# Altium PCB CL-HC-M-V2.1gerber.PcbDoc (part 17 of 18) (continued)
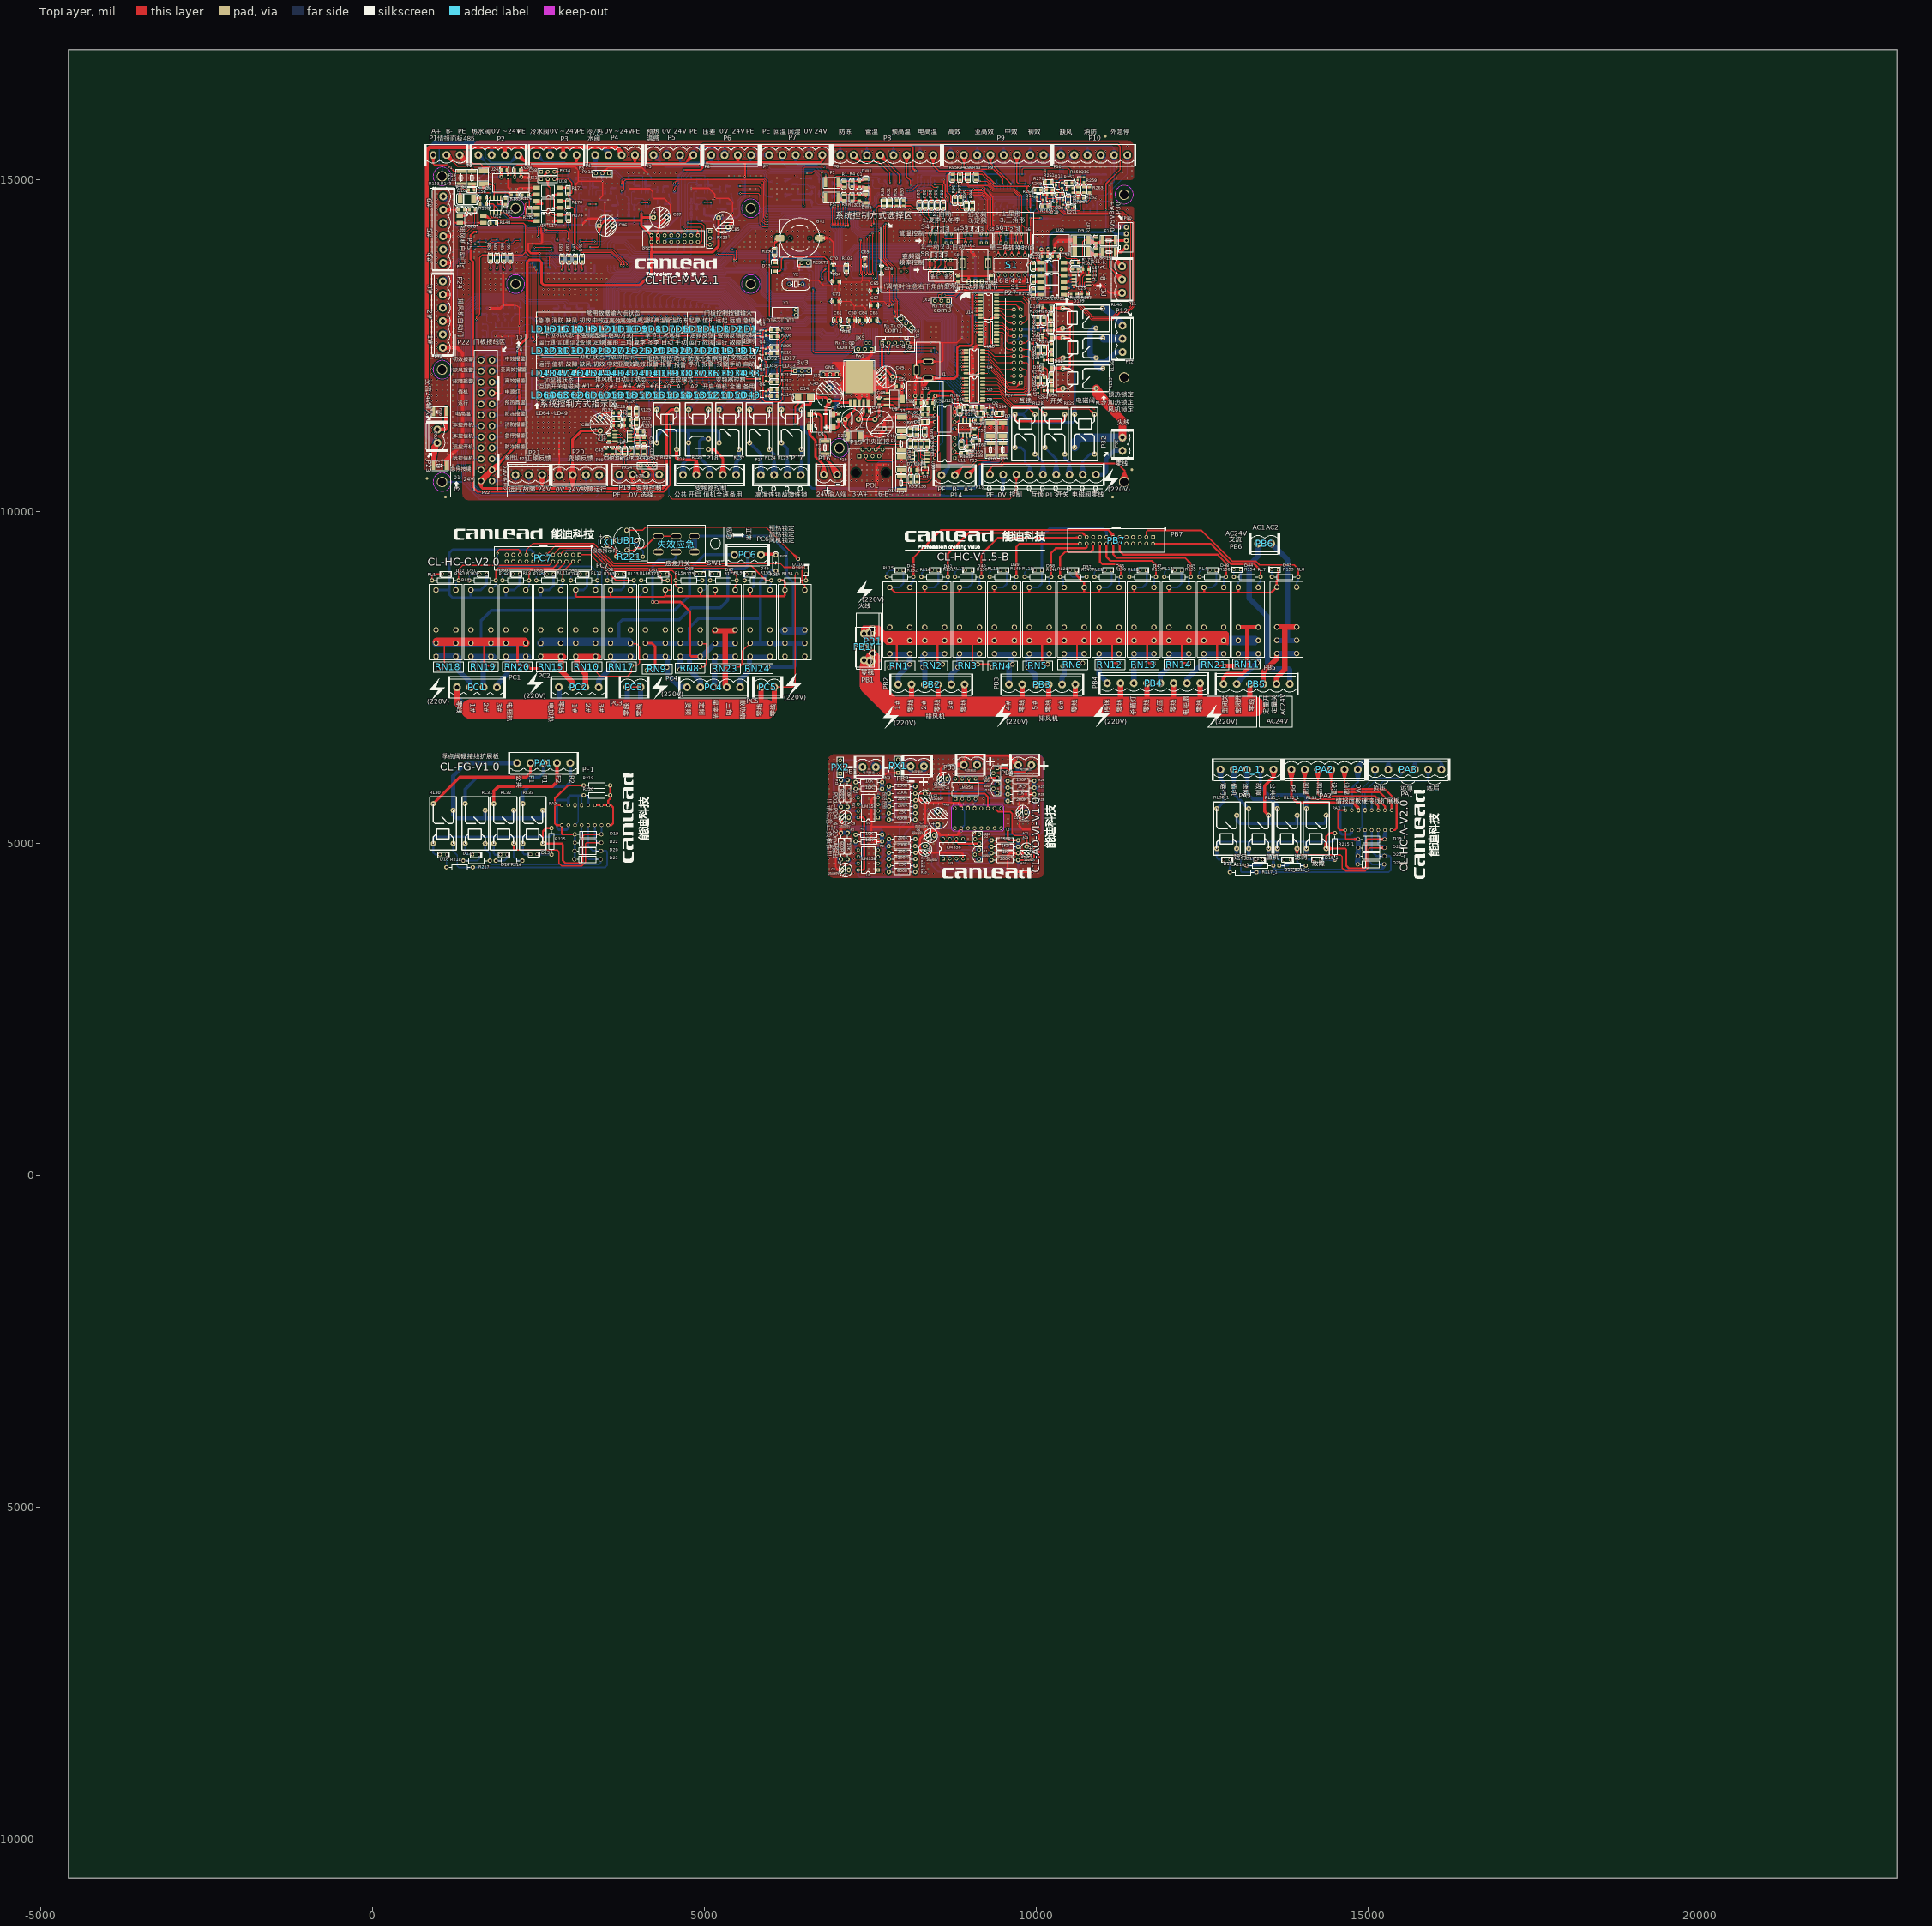
[diagram p0: TopLayer view]
## Nets (pads, with @x,y where several pads share a name; then routed paths per layer and width w, separated by ;. In a path a pad name is that pad's centre, name@x,y a point inside that pad or via, vN(x,y) a via of type N, cw(c..) or ccw(c..) an arc to the next point about the centre after c; other vN are vias at no path point) (continued)
预热温感: C1.1@7332.76,14975.04 DW1.K R1.1@7102.76,14975.04 R4.2@7222.76,14980.04 U33.43 | length 4045.6
  TopLayer w10: v1@7043.44,14307 7050.92,14348.84 ; v1@7058.38,14307 7050.92,14348.84 ; C1.1@7317.93,14977.29 7332.76,15025.04 ; C1.1@7332.76,14975.04 7332.76,15025.04 ; C1.1@7332.76,14985.04 7332.76,15035.9 7314.67,15053.99 6991.57,15053.99 6971.36,15033.78 6971.36,14663.99 6989.36,14645.99 7033.31,14645.99 7050.92,14628.38 v1(7050.91,14306.34) 7050.92,14348.84 ; C1.1@7347.59,14977.29 7332.76,15025.04
  TopLayer w20: R1.1@7102.76,14975.04 7359.53,14975.04 ; R1.1@7107.76,14975.04 7187.76,14975.04 R4.2@7217.76,14980.04 ; 7247.76,14975.04 C1.1@7327.76,14975.04 ; C1.1@7308.09,14975.04 7227.76,14980.04 C1.1@7311.57,14975.04 ; DW1.K@7419.64,15022.65 7359.53,14975.04 ; DW1.K@7421.31,15023.58 C1.1@7341.04,14977.06 ; DW1.K@7431.94,14995.63 C1.1@7341.04,14977.06 ; DW1.K@7432.76,15010.04 7394.53,15010.04 ; DW1.K@7433.27,14996.09 7359.53,14975.04 ; R4.2@7217.76,14980.04 7137.45,14975.04 R4.2@7217.76,14980.04 ; C1.1@7337.76,14975.04 7359.53,14975.04 ; C1.1@7337.76,14975.04 7394.53,15010.04 ; C1.1@7337.76,14975.04 7359.53,14975.04 ; C1.1@7341.04,14977.06 DW1.K@7427.76,15010.04 ; 7359.53,14975.04 7394.53,15010.04 ; 7359.53,14975.04 DW1.K@7427.76,15010.04 ; 7394.53,15010.04 DW1.K@7424.37,14995.42 ; 7394.53,15010.04 DW1.K@7424.37,15024.65 ; 7394.53,15010.04 DW1.K@7427.76,15010.04 ; 7394.53,15010.04 DW1.K@7424.37,14995.42 ; 7394.53,15010.04 DW1.K@7424.37,15024.65 ; 7394.53,15010.04 DW1.K@7427.76,15010.04 ; 7394.53,15010.04 DW1.K@7424.37,14995.42 ; 7394.53,15010.04 DW1.K@7424.37,15024.65 ; 7394.53,15010.04 DW1.K@7427.76,15010.04
  BottomLayer w10: U33.43@7042.07,13622.58 7042.07,14279.59 7050.91,14288.43 ; U33.43@7042.07,13652.83 7042.07,13687.58 ; v1@7043.58,14304.77 7050.91,14288.43 ; v1@7058.24,14304.77 7050.91,14288.43 ; 7050.91,14288.43 v1(7050.91,14306.34) 7050.91,14288.43
预高温: OP3.8 P8.6 R33.2 | length 1357.8
  TopLayer w20: P8.6@8000.32,15356.95 8048.32,15248 ; P8.6@8019.48,15363.51 8048.32,15248 ; P8.6@8048.32,15367.06 8048.32,15043.84 8107.62,14984.55 v1(8107.62,14925.26) ; P8.6@8077.16,15363.51 8048.32,15248 ; P8.6@8096.32,15356.95 8048.32,15248
  BottomLayer w15: OP3.8@8012.38,14877.24 8082.14,14877.24 8109.03,14904.13 ; 8109.03,14982.81 v1(8107.62,14925.26) 8109.03,14904.13 ; R33.2@8145.39,14983.69 8115.53,14995.95 ; R33.2@8145.39,15008.22 8115.53,14995.95 ; R33.2@8147.81,14995.95 8115.53,14995.95 ; R33.2@8152.81,14995.95 8115.53,14995.95 ; 8109.03,14904.13 8109.03,14989.45 8115.53,14995.95
频率输出: C36.2 C43.1 P19.3 P19.4 PX24.1 R136.2 R142.2 | length 6647.6
  TopLayer w15: C43.1@3519,10863.14 C36.2@3612.77,10863.14 R136.2@3704.39,10863.14 R142.2@3801.46,10863.14 ; C43.1@3523.42,10850.65 C36.2@3590.63,10853.8 ; C43.1@3523.42,10875.62 C36.2@3590.63,10872.47 ; C43.1@3526.88,10850.97 C36.2@3590.63,10872.47 ; C43.1@3526.88,10875.3 C36.2@3590.63,10853.8 ; C36.2@3606.57,10850.69 C43.1@3542.77,10863.14 ; C36.2@3606.57,10875.58 C43.1@3542.77,10863.14 ; C36.2@3607.77,10863.14 C43.1@3542.77,10863.14 ; C36.2@3617.77,10863.14 R136.2@3682.77,10863.14 ; C36.2@3618.97,10850.69 R136.2@3682.77,10863.14 ; C36.2@3618.97,10875.58 R136.2@3682.77,10863.14 ; R136.2@3696.43,10850.99 C36.2@3633.73,10872.7 ; R136.2@3696.43,10875.28 C36.2@3633.73,10853.57 ; R136.2@3700.02,10850.65 C36.2@3633.73,10853.57 ; R136.2@3700.02,10875.62 C36.2@3633.73,10872.7 ; R136.2@3709.39,10863.14 3774.39,10863.14 ; R136.2@3710.6,10850.69 3774.39,10863.14 ; R136.2@3710.6,10875.58 3774.39,10863.14 ; R142.2@3789.02,10861.93 3801.46,10798.14 R142.2@3813.9,10861.93 ; R142.2@3793.69,10850.95 3731.03,10871.59 ; R142.2@3793.69,10875.33 3731.03,10854.68 ; R142.2@3796.88,10850.64 3731.03,10854.68 ; R142.2@3796.88,10875.63 3731.03,10871.59 ; R142.2@3797.58,10858.94 R142.2@3801.46,10863.14 ; PX24.1@4017.3,10687.54 4038.92,10634.29 ; PX24.1@4035.67,10669.98 3964.4,10691.76 PX24.1@4035.67,10713.55 ; PX24.1@4060.54,10687.54 4038.92,10634.29 ; P19.3@4075.81,10526.39 4038.92,10634.29 ; P19.3@4089.9,10532.29 4038.92,10634.29 ; P19.3@4102.94,10539.93 4038.92,10634.29 ; P19.3@4133.29,10570.28 4038.92,10634.29 ; P19.3@4140.93,10583.32 4038.92,10634.29 ; P19.3@4146.83,10597.41 4038.92,10634.29 ; C43.1@3524,10863.14 C36.2@3589,10863.14 ; C43.1@3524,10863.14 C36.2@3590.63,10853.8 ; C43.1@3524,10863.14 C36.2@3590.63,10872.47 ; C43.1@3524,10863.14 C36.2@3589,10863.14 ; C36.2@3589,10863.14 3525.2,10875.58 C36.2@3589,10863.14 ; C36.2@3589,10863.14 3525.2,10850.69 C36.2@3589,10863.14 ; C36.2@3633.73,10853.57 R136.2@3699.39,10863.14 ; C36.2@3633.73,10872.7 R136.2@3699.39,10863.14 ; C36.2@3634.39,10863.14 3698.19,10850.69 C36.2@3634.39,10863.14 ; C36.2@3634.39,10863.14 3698.19,10875.58 C36.2@3634.39,10863.14 ; C36.2@3634.39,10863.14 R136.2@3699.39,10863.14 ; C36.2@3634.39,10863.14 R136.2@3699.39,10863.14 ; 3731.03,10854.68 R142.2@3796.46,10863.14 ; 3731.03,10871.59 R142.2@3796.46,10863.14 ; 3731.46,10863.14 3795.26,10850.69 3731.46,10863.14 ; 3731.46,10863.14 3795.26,10875.58 3731.46,10863.14 ; 3731.46,10863.14 R142.2@3796.46,10863.14 ; 3731.46,10863.14 R142.2@3796.46,10863.14 ; 3774.39,10863.14 R142.2@3792.92,10851.15 ; 3774.39,10863.14 R142.2@3792.92,10875.12 ; 3774.39,10863.14 R142.2@3796.46,10863.14 ; 3774.39,10863.14 R142.2@3792.92,10851.15 ; 3774.39,10863.14 R142.2@3792.92,10875.12 ; 3774.39,10863.14 R142.2@3796.46,10863.14 ; 3774.39,10863.14 R142.2@3792.92,10851.15 ; 3774.39,10863.14 R142.2@3792.92,10875.12 ; 3774.39,10863.14 R142.2@3796.46,10863.14 ; R142.2@3801.46,10863.14 3801.46,10714.11 3823.8,10691.76 PX24.1@4038.92,10691.76 4038.92,10634.29 ; 4038.92,10634.29 P19.3@4119.56,10553.66 4038.92,10634.29
  BottomLayer w15: P19.3@4119.56,10553.66 P19.4@4319.56,10553.66 ; P19.3@4121.79,10532.22 4223.61,10553.66 ; P19.3@4121.79,10575.1 4223.61,10553.66 ; P19.3@4125.98,10517.67 4223.61,10553.66 ; P19.3@4125.98,10589.65 4223.61,10553.66 ; P19.3@4132.33,10503.71 4223.61,10553.66 ; P19.3@4132.33,10603.61 4223.61,10553.66 ; P19.4@4306.79,10503.71 4215.5,10553.66 ; P19.4@4306.79,10603.61 4215.5,10553.66 ; P19.4@4313.14,10517.67 4215.5,10553.66 ; P19.4@4313.14,10589.65 4215.5,10553.66 ; P19.4@4317.32,10532.22 4215.5,10553.66 ; P19.4@4317.32,10575.1 4215.5,10553.66
高效: OP2.4 P9.2 R29.2 | length 2053.6
  TopLayer w20: P9.2@8862.72,15358.92 8910.72,15249.97 ; P9.2@8881.88,15365.48 8910.72,15249.97 ; P9.2@8910.72,15369.03 8910.72,15182.75 8933.37,15160.1 9356.3,15160.1 9492.32,15024.08 v1(9492.32,14940.39) ; P9.2@8939.56,15365.48 8910.72,15249.97 ; P9.2@8958.72,15358.92 8910.72,15249.97
  BottomLayer w15: R29.2@9477.41,14997.2 v1@9489.85,14938.5 ; R29.2@9477.53,14996.63 v1(9492.32,14940.39) ; OP2.4@9512.76,14865.04 9514.85,14913.5 ; OP2.4@9514.85,14843.5 9514.85,14913.5 ; v1@9489.85,14938.5 R29.2@9489.85,14998.5 v1@9489.85,14938.5 ; v1@9489.85,14938.5 9514.85,14913.5 ; v1@9489.85,14938.5 9502.28,14997.2 v1(9492.32,14940.39) ; v1(9492.32,14940.39) 9489.85,14998.02 v1(9492.32,14940.39) ; v1(9492.32,14940.39) 9514.85,14913.5
pads on no net: BT1. D15.A D15.K D15_1.A D15_1.K D16.A D16.K D16_1.A D16_1.K D17.A D17.K D17_1.A D17_1.K D18.A D18.K D18_1.A D18_1.K D19.A D19.K D19_1.A D19_1.K D20.A D20.K D20_1.A D20_1.K D21.A D21.K D21_1.A D21_1.K D22.A D22.K D22_1.A D22_1.K P14.1 P14.2 P14.4 P14.5 P14.7 P14.8 P14.MH1 P14.MH2 PA1.1 PA1.2 PA1.3 PA1.4 PA1.5 PA1_1.1 PA1_1.2 PA1_1.3 PA1_1.4 PA1_1.5 PA2.1 PA2.2 PA2.3 PA2.4 PA2.5 PA2.6 PA3.1 PA3.2 PA3.3 PA3.4 PA3.5 PA3.6 PAX.1@2850.51,5575.71 PAX.2@2850.51,5275.71 PAX.3@2950.51,5575.71 PAX.4@2950.51,5275.71 PAX.5@3050.51,5575.71 PAX.6@3050.51,5275.71 PAX.7@3150.51,5575.71 PAX.8@3150.51,5275.71 PAX.9@3250.51,5575.71 PAX.10@3250.51,5275.71 PAX.11@3350.51,5575.71 PAX.12@3350.51,5275.71 PAX.13@3450.51,5575.71 PAX.14@3450.51,5275.71 PAX.15@3550.51,5575.71 PAX.16@3550.51,5275.71 PAX_1.1 PAX_1.2 PAX_1.3 PAX_1.4 PAX_1.5 PAX_1.6 PAX_1.7 PAX_1.8 PAX_1.9 PAX_1.10 PAX_1.11 PAX_1.12 PAX_1.13 PAX_1.14 PAX_1.15 PAX_1.16 PB1'.2 R102.0 R102.3 R215.1 R215.2 R215_1.1 R215_1.2 R216.1 R216.2 R216_1.1 R216_1.2 R217.1 R217.2 R217_1.1 R217_1.2 R218.1 R218.2 R218_1.1 R218_1.2 R219.1 R219.2 R220.1 R220.2 RL1.5 RL2.5 RL3.5 RL4.5 RL5.5 RL6.5 RL10.5 RL11.5 RL12.5 RL13.5 RL14.5 RL15.5 RL16.5 RL17.5 RL18.5 RL19.5 RL20.5 RL21.5 RL22.5 RL30.1 RL30.2 RL30.3 RL30.4 RL30_1.1 RL30_1.2 RL30_1.3 RL30_1.4 RL31.1 RL31.2 RL31.3 RL31.4 RL31_1.1 RL31_1.2 RL31_1.3 RL31_1.4 RL32.1 RL32.2 RL32.3 RL32.4 RL32_1.1 RL32_1.2 RL32_1.3 RL32_1.4 RL33.1 RL33.2 RL33.3 RL33.4 RL33_1.1 RL33_1.2 RL33_1.3 RL33_1.4 RL34.3 S8.3 U2.7@2362.38,12870.5 U11.1 U11.4 U12.1 U12.4 U15.5 U15.6 U15.7 U15.10 U15.11 U15.12 U26.5 U26.6 U26.7 U26.10 U26.11 U26.12 U28.7 U29.7 U30.7 U31.7 U33.7 U33.106
copper on no net: | length 88560.5
  TopLayer w20: 2126.43,4998.5 2126.43,4910.96 2136.76,4900.63 2782.29,4900.63 2806.76,4876.16 2806.76,4704.06 2851.38,4659.44 3151.83,4659.44 3206.76,4714.37 3206.76,4990.63 3225.93,5009.8 3447.2,5009.8 ; 13902.71,4918.24 13931.67,4835.63 ; 13931.67,4923.17 13931.67,4835.63 ; 13960.62,4918.24 13931.67,4835.63 ; 15249.92,4913.13 15160.95,4934.47 15249.92,4955.82 ; 15252.44,4934.47 15031.17,4934.47 15012,4915.3 15012,4639.04 14957.07,4584.11 14656.62,4584.11 14612,4628.73 14612,4800.83 14587.53,4825.3 13942,4825.3 13931.67,4835.63
  TopLayer w30: 2696.76,5230.63 2615.15,5230.63 2565.15,5180.63 2565.15,4998.5 2848.89,4998.5 2866.76,4980.63 2866.76,4740.63 2906.76,4700.63 3012.34,4700.63 3013.53,4699.44 3135.26,4699.44 3166.76,4730.94 3166.76,5116.62 3186.76,5136.62 3447.2,5136.62 ; 2850.51,5575.71 2761.84,5575.71 2746.76,5560.63 ; 3047.2,5136.62 2864.52,5136.62 2850.51,5150.63 2850.51,5275.71 2771.68,5275.71 2746.76,5300.63 2746.76,5560.63 ; 3180.92,5872.55 2942.54,5872.55 2746.76,5676.76 2746.76,5560.63 ; 3350.51,5575.71 3450.51,5575.71 3550.51,5575.71 3593.1,5575.71 3626.44,5542.36 3626.44,5304.36 3597.79,5275.71 3550.51,5275.71 ; 3559.1,5584.3 3550.51,5592.9 3550.51,5642.37 3580.4,5672.26 3580.4,5872.18 ; 14002.7,6105.47 14046.27,5962.92 14089.84,6105.47 ; 14046.27,6111.98 14046.27,5942.31 14046.27,5774.81 14155.78,5665.3 15052,5665.3 15155.75,5561.55 15155.75,5500.38 ; 14202.7,6105.47 14246.27,5962.92 14289.84,6105.47 ; 14246.27,6111.98 14246.27,5740.38 14276.35,5710.3 15104.86,5710.3 15255.75,5559.41 15255.75,5500.38 ; 14346.12,4925.46 14370.39,5052.54 14394.65,4925.46 ; 14372.68,4898.91 14499.76,4923.17 14372.68,4947.43 ; 14402.7,6105.47 14446.27,5962.92 14489.84,6105.47 ; 14446.27,6111.98 14446.27,5817.01 14495.52,5767.76 15179.53,5767.76 15355.75,5591.55 15355.75,5500.38 ; 14500.12,5137.9 14420.39,5155.3 ; 14500.12,5172.7 14420.39,5155.3 ; 14602.7,6105.47 14646.27,5962.92 14689.84,6105.47 ; 14646.27,6111.98 14646.27,5842.74 14672,5817.01 15254.81,5817.01 15431.68,5640.14 15431.68,5229.03 15403.03,5200.38 15355.75,5200.38 ; 14655.75,5500.38 14567.08,5500.38 14552,5485.3 14552,5225.3 14576.92,5200.38 ; 14851.32,5044.83 14730.95,5061.29 14851.32,5077.74 ; 14852.44,5061.29 14669.76,5061.29 14655.75,5075.3 14655.75,5200.38 ; 15251.32,5044.83 15130.95,5061.29 15251.32,5077.74 ; 15252.44,5061.29 14992,5061.29 14972,5041.29 14972,4655.61 14940.5,4624.11 14818.77,4624.11 14817.58,4625.3 14712,4625.3 14672,4665.3 14672,4905.3 14654.13,4923.17 14370.39,4923.17 14370.39,5105.3 14420.39,5155.3 ; 14420.39,5155.3 14502,5155.3 14420.39,5155.3 ; 14576.92,5200.38 14655.75,5200.38 ; 14576.92,5200.38 14655.75,5200.38
  TopLayer w40: 916.03,5598.5 1315.94,5998.41 2315.99,5998.41 2377.3,6059.72 2377.3,6208.41 ; 13807.45,6107.72 13846.27,5932.92 13885.09,6107.72 ; 13846.27,6111.98 13846.27,5700.69 13931.67,5615.3 14782,5615.3 ; 14855.75,5500.38 14855.75,5541.55 ; 14782,5615.3 14855.75,5541.55 ; 14782,5615.3 14855.75,5510.38 ; 14855.75,5510.38 14855.75,5541.55 ; 14855.75,5510.38 14855.75,5541.55
  TopLayer w50: 1826.43,5598.5 1826.43,5785.63 1899.2,5858.41 2710.92,5858.41 2777.3,5924.79 2777.3,6208.41 ; 13502,5423.17 13442,5483.17 13442,5865.3 13576.6,5999.9 ; 13542.94,6106.8 13576.6,5999.9 ; 13576.6,6111.98 13576.6,5999.9 ; 13610.26,6106.8 13576.6,5999.9
  BottomLayer w20: 1112.74,4640.63 1116.76,4644.64 1116.76,4831.14 ; 3050.51,5275.71 3100.51,5325.71 3100.51,5718.41 ; 3150.51,5575.71 3150.51,5718.41 ; 12895.78,4568.99 12922,4657.99 ; 12908.42,4754.7 12922,4672.19 12935.57,4754.7 ; 12922,4755.81 12922,4569.31 12917.98,4565.3 12922,4657.99 ; 12940.41,4567.06 12922,4657.99 ; 14845,5214.19 14905.75,5250.38 ; 14855.75,5200.38 14905.75,5250.38 ; 14869.56,5189.63 14905.75,5250.38 ; 14940.81,5511.7 14955.75,5595.38 ; 14955.75,5500.38 14955.75,5786.13 15151.6,5981.98 15456.6,5981.98 15506.6,6031.98 ; 14955.75,5510.38 14955.75,5595.38 ; 14970.69,5511.7 14955.75,5595.38 ; 15038.34,5502.13 15055.75,5587.88 15073.16,5502.13 ; 15055.75,5500.38 15055.75,5761.13 15236.6,5941.98 15882.85,5941.98 15906.6,5965.73 15906.6,6111.98 ; 15059.4,6098.61 15106.6,6021.98 ; 15077.93,6107.29 15106.6,6021.98 ; 15135.27,6107.29 15106.6,6021.98 ; 15153.8,6098.61 15106.6,6021.98 ; 15459.91,6096.94 15506.6,6031.98 ; 15478.03,6106.7 15506.6,6031.98 ; 15506.6,6111.98 15506.6,6031.98 ; 15535.17,6106.7 15506.6,6031.98 ; 15553.29,6096.94 15506.6,6031.98 ; 15858.6,6101.87 15906.6,5992.92 ; 15877.76,6108.43 15906.6,5992.92 ; 15935.44,6108.43 15906.6,5992.92 ; 15954.6,6101.87 15906.6,5992.92 ; 14905.75,5250.38 14905.75,5821.13 15106.6,6021.98 ; 15106.6,6021.98 15106.6,6111.98 15106.6,6021.98
  BottomLayer w25: 1216.03,4998.5 1216.03,4881.36 1276.76,4820.63 1276.76,4740.63 1276.76,4660.63 1296.76,4640.63 3506.76,4640.63 3536.76,4670.63 3536.76,4870.63 3521.22,4886.16 ; 1766.76,4740.63 1766.76,4710.63 1796.76,4680.63 3408.7,4680.63 3439.01,4710.94 3439.01,4760.94 3256.45,4760.94 3150.51,4866.88 3150.51,5275.71 ; 12994.58,4920.01 13021.27,4808.8 13047.95,4920.01 ; 13021.27,4923.17 13021.27,4806.03 13082,4745.3 13082,4665.3 13082,4585.3 13102,4565.3 15312,4565.3 15342,4595.3 15342,4795.3 15326.46,4810.83 ; 13316.12,4545.38 13210.48,4565.3 13316.12,4585.21 ; 13319.84,4545.38 13425.48,4565.3 13319.84,4585.21 ; 13555.64,4653.79 13602,4605.3 ; 13591.02,4671.48 13602,4605.3 ; 14940.79,5199.28 14955.75,5097.88 ; 14970.71,5199.28 14955.75,5097.88 ; 15217.93,4691.04 15213.94,4605.3 ; 15241.09,4658.92 15129.88,4685.61 15241.09,4712.29 ; 15267.59,4672.3 15213.94,4605.3 ; 13602,4605.3 13572,4635.3 13572,4665.3 13602,4605.3 ; 13602,4605.3 15213.94,4605.3 ; 14955.75,5097.88 14955.75,5200.38 14955.75,4791.55 15061.69,4685.61 15244.25,4685.61 ; 15213.94,4605.3 15244.25,4635.61 ; 15213.94,4605.3 15244.25,4685.61 ; 15244.25,4635.61 15244.25,4685.61 ; 15244.25,4635.61 15270.13,4678.39 15244.25,4635.61 ; 15244.25,4635.61 15218.36,4678.39 15244.25,4635.61 ; 15244.25,4635.61 15244.25,4685.61
  BottomLayer w30: 1016.76,4831.14 946.24,4831.14 916.03,4861.36 916.03,4998.5 916.03,5069.9 946.76,5100.63 1398.89,5100.63 ; 1366.76,4740.63 1576.76,4740.63 1606.76,4770.63 1606.76,4831.14 ; 1506.76,4831.14 1430.13,4831.14 1396.76,4864.52 1396.76,4998.5 1396.76,5098.5 1398.89,5100.63 ; 1696.76,4998.5 1696.76,4914.52 1766.76,4844.52 1766.76,4740.63 ; 1826.43,5098.5 1826.43,4998.5 1826.43,4850.96 1846.76,4830.63 1926.76,4830.63 ; 1856.76,4740.63 1986.76,4740.63 2026.76,4780.63 2026.76,4830.63 ; 2126.43,4998.5 2126.43,4800.96 2186.76,4740.63 2256.76,4740.63 ; 2265.15,5098.5 2265.15,4998.5 2265.15,4856.13 2286.76,4834.52 2364.83,4834.52 ; 2476.76,4834.52 2692.86,4834.52 2696.76,4830.63 ; 3039.01,4760.94 3047.2,4769.13 3047.2,5136.62 2702.74,5136.62 2666.76,5100.63 1398.89,5100.63 ; 3250.51,5275.71 3250.51,4956.88 3321.22,4886.16 3443.24,4886.16 3521.22,4886.16 ; 3350.51,5275.71 3350.51,5056.88 3397.58,5009.8 3447.2,5009.8 ; 3447.2,5136.62 3450.51,5139.92 3450.51,5275.71 ; 12697,4920.87 12721.27,4793.8 12745.53,4920.87 ; 12697.25,4927.33 12721.27,4994.57 ; 12745.28,4927.33 12721.27,4994.57 ; 12822,4755.81 12751.48,4755.81 12721.27,4786.03 12721.27,4923.17 12721.27,4994.57 ; 13172,4665.3 13382,4665.3 13412,4695.3 13412,4755.81 ; 13173.25,4647.84 13294.5,4665.3 13173.25,4682.75 ; 13177.73,4920.87 13202,4793.8 13226.26,4920.87 ; 13177.81,4926.14 13202,5023.17 ; 13226.18,4926.14 13202,5023.17 ; 13312,4755.81 13235.37,4755.81 13202,4789.19 13202,4923.17 13202,5023.17 ; 13477.88,4919.63 13502,4839.19 ; 13502,4923.17 13502,4839.19 ; 13526.11,4919.63 13502,4839.19 ; 13554.56,4666.77 13572,4769.19 ; 13572,4665.3 13572,4769.19 ; 13589.43,4666.77 13572,4769.19 ; 13607.4,4920.87 13631.67,4793.8 ; 13607.48,4926.14 13631.67,5023.17 ; 13655.85,4926.14 13631.67,5023.17 ; 13655.93,4920.87 13631.67,4793.8 ; 13662,4665.3 13792,4665.3 13832,4705.3 13832,4755.3 ; 13663.25,4647.84 13784.5,4665.3 13663.25,4682.75 ; 13907.4,4920.87 13931.67,4793.8 13955.93,4920.87 ; 13931.67,4923.17 13931.67,4725.63 13992,4665.3 ; 14046.12,4920.87 14070.39,4793.8 14094.65,4920.87 ; 14046.2,4926.14 14070.39,5023.17 ; 14059.81,4647.94 13992,4665.3 ; 14059.81,4682.66 13992,4665.3 ; 14062,4665.3 13992,4665.3 ; 14094.57,4926.14 14070.39,5023.17 ; 14170.07,4759.19 14092,4759.19 ; 14182,4759.19 14092,4759.19 ; 14282,4759.19 14498.1,4759.19 14502,4755.3 14379.3,4759.19 ; 14500.2,4737.89 14379.3,4759.19 ; 14501.3,4772.78 14379.3,4759.19 ; 14819.92,4684.07 14824.34,4807.48 ; 14820.08,4688.79 14848.48,4810.83 ; 14820.17,4689.4 14852.44,4815.83 ; 14821.14,4693.35 14872.79,4809.12 ; 14828.13,4932.85 14848.48,4810.83 ; 14828.19,4932.13 14828.18,5058.99 ; 14828.18,4932.18 14852.44,4805.1 14876.71,4932.18 ; 14828.19,4936.82 14852.44,5061.29 ; 14828.28,4937.65 14824.3,4813.86 ; 14828.92,4928.12 14872.8,4812.38 ; 14829.08,4941.41 14876.71,5058.99 ; 14850.15,5037.02 14723.07,5061.29 14850.15,5085.55 ; 14867.79,4691.89 14824.34,4807.48 ; 14868.41,4682.43 14872.79,4809.12 ; 14868.6,4686.35 14852.44,4815.83 ; 14868.57,4687.15 14848.48,4810.83 ; 14875.52,4926.63 14824.3,4813.86 ; 14875.81,4941.41 14828.18,5058.99 ; 14876.61,4931.3 14848.48,4810.83 ; 14876.7,4932.13 14876.71,5058.99 ; 14876.7,4936.82 14852.44,5061.29 ; 14876.76,4936.1 14872.8,4812.38 ; 15055.75,5200.38 15055.75,4881.55 15126.46,4810.83 ; 15155.75,5200.38 15155.75,4981.55 ; 15228.25,5064.2 15255.75,5190.73 ; 15232.66,5084.51 15255.75,5200.38 ; 15239.36,4913.91 15155.75,4981.55 ; 15246.05,4786.58 15126.46,4810.83 ; 15246.05,4835.08 15126.46,4810.83 ; 15252.29,4786.76 15326.46,4810.83 ; 15252.29,4834.9 15326.46,4810.83 ; 15253,5082.9 15255.75,5200.38 ; 15260.56,4957.45 15155.75,4981.55 ; 15273.33,5083.83 15255.75,5200.38 ; 15276.76,5062.96 15255.75,5190.73 ; 12721.27,4994.57 12752,5025.3 13204.13,5025.3 ; 13202,5023.17 13204.13,5025.3 ; 13204.13,5025.3 14472,5025.3 14507.98,5061.29 14852.44,5061.29 ; 13502,4839.19 13572,4769.19 ; 13631.67,4793.8 13631.67,4923.17 ; 13631.67,4923.17 13631.67,5023.17 ; 13631.67,4923.17 13631.67,4775.63 13652,4755.3 ; 13652,4755.3 13732,4755.3 13652,4755.3 ; 14070.39,5023.17 14070.39,4923.17 14070.39,4780.8 14092,4759.19 ; 14824.3,4813.86 14852.44,4940.34 ; 14824.3,4813.86 14852.44,4934.47 ; 14824.34,4807.48 14852.44,4693.8 ; 14824.34,4807.48 14844.25,4685.61 ; 14828.18,5058.99 14852.44,4931.92 14876.71,5058.99 ; 14828.18,5058.99 14852.44,4934.47 ; 14844.25,4685.61 14852.44,4693.8 ; 14844.25,4685.61 14848.48,4810.83 ; 14844.25,4685.61 14852.44,4815.83 ; 14844.25,4685.61 14872.79,4809.12 ; 14848.48,4810.83 14852.44,4940.34 ; 14848.48,4810.83 14852.44,4693.8 ; 14848.48,4810.83 14852.44,4934.47 ; 14852.44,4693.8 14852.44,5061.29 ; 14852.44,4693.8 14872.79,4809.12 ; 14852.44,4934.47 14876.71,5058.99 ; 14852.44,4934.47 14872.8,4812.38 ; 14852.44,4940.34 14872.8,4812.38 ; 15126.46,4810.83 15248.48,4810.83 15326.46,4810.83 ; 15155.75,4981.55 15202.82,4934.47 ; 15155.75,4981.55 15252.44,4934.47 ; 15202.82,4934.47 15252.44,4934.47 ; 15202.82,4934.47 15246.46,4910.85 15202.82,4934.47 ; 15202.82,4934.47 15246.46,4958.1 15202.82,4934.47 ; 15202.82,4934.47 15252.44,4934.47 ; 15255.75,5190.73 15252.44,5061.29 15255.75,5064.59 15255.75,5200.38
  BottomLayer w40: 2950.51,5275.71 2950.51,5233.62 2925.72,5208.83 2808.21,5208.83 2777.3,5239.74 2777.3,5642.37 2788.4,5653.47 2950.51,5653.47 ; 2950.51,5575.71 2950.51,5653.47 ; 3250.51,5575.71 3250.51,5698.41 3230.51,5718.41 3150.51,5718.41 3100.51,5718.41 2982.98,5718.41 2950.51,5685.94 2950.51,5653.47 ; 14755.75,5500.38 14755.75,5578.14 ; 14807.45,6107.72 14846.27,5932.92 ; 14812.93,6132.32 14896.6,6231.98 ; 14884.15,6102.45 14896.6,6231.98 ; 14885.09,6107.72 14846.27,5932.92 ; 15268.1,6118.53 15306.6,6228.36 ; 15306.6,6111.98 15306.6,6228.36 ; 15345.1,6118.53 15306.6,6228.36 ; 15668.12,6118.68 15706.6,6225.73 ; 15706.6,6111.98 15706.6,6225.73 ; 15745.08,6118.68 15706.6,6225.73 ; 16068.3,6119.6 16106.6,6211.98 ; 16106.6,6111.98 16106.6,6211.98 ; 16144.9,6119.6 16106.6,6211.98 ; 14730.96,5133.5 14755.75,5158.29 ; 14730.96,5133.5 14613.45,5133.5 14582.54,5164.41 14582.54,5567.04 14593.64,5578.14 14755.75,5578.14 ; 14730.96,5133.5 14755.75,5200.38 ; 14755.75,5158.29 14755.75,5200.38 ; 14755.75,5158.29 14755.75,5200.38 ; 14755.75,5578.14 14755.75,5832.23 14846.27,5922.76 14846.27,6111.98 ; 14846.27,5932.92 14846.27,6111.98 ; 14846.27,6111.98 14846.27,6181.65 ; 14846.27,6111.98 14896.6,6231.98 ; 14846.27,6111.98 14846.27,6181.65 ; 14846.27,6181.65 14896.6,6231.98 ; 14846.27,6181.65 14808.78,6122.92 14846.27,6181.65 ; 14846.27,6181.65 14883.76,6122.92 14846.27,6181.65 ; 14896.6,6231.98 15302.98,6231.98 ; 15302.98,6231.98 15700.35,6231.98 ; 15302.98,6231.98 15306.6,6228.36 ; 15700.35,6231.98 15706.6,6225.73 ; 15700.35,6231.98 16086.6,6231.98 16106.6,6211.98
  BottomLayer w50: 1396.76,5598.5 1396.76,5814.24 1580.92,5998.41 2510.92,5998.41 2577.3,6064.79 2577.3,6208.41 ; 2265.15,5598.5 2265.15,5767.56 2355.99,5858.41 2920.92,5858.41 2977.3,5914.79 2977.3,6208.41 ; 12721.27,5523.17 12822,5623.9 12822,5921.36 12776.6,5966.75 ; 12742.78,6107.98 12776.6,5966.75 ; 12776.6,6111.98 12776.6,5966.75 ; 12810.42,6107.98 12776.6,5966.75 ; 12942.66,6109.2 12976.6,5902.92 13010.54,6109.2 ; 12976.6,6111.98 12976.6,5748.56 13202,5523.17 13056.56,5668.6 ; 13021.27,5423.17 13021.27,5356.03 13072,5305.3 13501.83,5305.3 ; 13142.76,6108.17 13176.6,5959.48 ; 13176.6,6111.98 13176.6,5959.48 ; 13210.44,6108.17 13176.6,5959.48 ; 13343.18,6105.44 13376.6,6023.24 ; 13376.6,6111.98 13376.6,6023.24 ; 13410.02,6105.44 13376.6,6023.24 ; 13502,5423.17 13502,5305.46 13501.83,5305.3 ; 13931.67,5423.17 13931.67,5305.3 ; 14070.39,5523.17 14070.39,5684.94 14026.93,5728.39 13572.99,5728.39 13571.09,5730.3 13500.19,5730.3 13376.6,5853.89 13376.6,6023.24 ; 14370.39,5423.17 14370.39,5335.3 14340.39,5305.3 13931.67,5305.3 ; 13176.6,5959.48 13176.6,5755.92 13267.22,5665.3 13544.17,5665.3 ; 13501.83,5305.3 13931.67,5305.3 ; 13544.17,5665.3 13631.67,5577.8 ; 13544.17,5665.3 13631.67,5523.17 ; 13631.67,5523.17 13631.67,5577.8 ; 13631.67,5523.17 13631.67,5577.8
  BottomLayer w60: 1696.76,5498.5 1696.76,5380.79 1696.59,5380.63 ; 2126.43,5498.5 2126.43,5380.63 ; 2177.3,6208.41 1410.92,6208.41 1216.03,6013.51 1216.03,5498.5 1216.03,5431.36 1266.76,5380.63 1696.59,5380.63 ; 2565.15,5498.5 2565.15,5410.63 2535.15,5380.63 2126.43,5380.63 ; 1696.59,5380.63 2126.43,5380.63
  other v1: 7968.36,13615.96 8048.36,13615.96 7968.35,13712.67 8048.35,13712.67

## Polygon pours and split planes (outlines as drawn)
GND on BottomLayer "BottomLayer-No Net" (solid, pour order 3): 6858.14,6119.36 6858.14,6239.36 cw(c6958.14,6239.36) 6958.14,6339.36 7148.14,6339.36 10018.14,6339.36 cw(c10018.14,6239.36) 10118.14,6239.36 10118.14,4665.5 10118.14,4579.36 cw(c10018.14,4579.36) 10018.14,4479.36 9998.14,4479.36 6958.14,4479.36 cw(c6958.14,4579.36) 6858.14,4579.36 6858.14,4726.78
485_GND_1 on BottomLayer "BottomLayer-No Net" (solid, remove dead copper, pour order 14): 10250.6,13943.65 10250.6,14062.98 cw(c10350.6,14062.98) 10350.6,14162.98 10356.68,14162.98 11200.86,14162.98 cw(c11200.86,14128.36) 11235.48,14128.36 11235.48,13799.27 ccw(c11253.16,13799.27) 11253.16,13781.59 11373.9,13781.59 cw(c11373.9,13761.76) 11393.74,13761.76 11393.74,13231.77 cw(c11367.22,13231.77) 11367.22,13205.26 10298.41,13205.26 cw(c10298.41,13250.63) 10253.03,13250.63
485-GND1 on BottomLayer "BottomLayer-No Net" (solid, remove dead copper, pour order 12): 8647.38,11334.07 8647.38,11533.36 cw(c8747.38,11533.36) 8747.38,11633.36 8772.38,11633.36 9467.59,11633.36 cw(c9467.59,11533.36) 9567.59,11533.36 9567.59,11509.14 9567.59,10753.15 cw(c9530.6,10753.15) 9530.6,10716.16 8684.57,10716.16 cw(c8684.57,10753.36) 8647.38,10753.36
485_GND_2 on BottomLayer "BottomLayer-No Net" (solid, remove dead copper, pour order 10): 2483.37,14333.15 2485.54,14333.15 ccw(c2485.54,14397.37) 2549.76,14397.37 2549.76,14873.61 ccw(c2479.76,14873.61) 2479.76,14943.61 2109.59,14943.61 cw(c2109.59,14963.08) 2090.12,14963.08 2090.12,15165.12 ccw(c2044.66,15165.12) 2044.66,15210.58 1551.09,15210.58 cw(c1551.09,15276.96) 1484.72,15276.96 1484.72,15357.36 ccw(c1384.72,15357.36) 1384.72,15457.36 1109.51,15457.36 932,15457.36 ccw(c932,15390.96) 865.61,15390.96 865.61,15320.25 865.61,14945.05 ccw(c900.25,14945.05) 900.25,14910.41 1247.52,14910.41 cw(c1247.52,14901.06) 1256.88,14901.06 cw(c1256.88,14888.24) 1269.7,14888.24 1269.7,14621.78 ccw(c1281.24,14621.78) 1281.24,14610.24 1341.85,14610.24 1670.89,14610.24 cw(c1670.89,14548.18) 1732.94,14548.18 1732.94,14500.54 ccw(c1764.68,14500.54) 1764.68,14468.8 1937.88,14468.8 cw(c1937.88,14429.85) 1976.83,14429.85 1976.83,14398.08 ccw(c2041.76,14398.08) 2041.76,14333.15 2477.6,14333.15
GND on BottomLayer "BottomLayer-No Net" (solid, remove dead copper, pour order 16): 902.31,14729.42 902.31,14800.91 cw(c950.6,14800.91) 950.6,14849.2 1200.34,14849.2 cw(c1200.34,14827.51) 1222.03,14827.51 1222.03,14610.06 ccw(c1242.68,14610.06) 1242.68,14589.42 1565.65,14589.42 cw(c1565.65,14565.18) 1589.88,14565.18 1589.88,14514.3 ccw(c1610.6,14514.3) 1610.6,14493.58 1689.85,14493.58 cw(c1689.85,14453.86) 1729.57,14453.86 ccw(c1814.01,14453.86) 1814.01,14369.42 1892.24,14369.42 2274.77,14369.42 2309.97,14369.42 cw(c2309.97,14349.2) 2330.19,14349.2 2330.19,14312.93 2330.19,14291.64 ccw(c2339,14291.64) 2339,14282.84 2534.83,14282.84 ccw(c2534.83,14308.37) 2560.36,14308.37 ccw(c2560.36,14364.99) 2616.98,14364.99 2616.98,14632.63 2616.98,14925.39 ccw(c2581.48,14925.39) 2581.48,14960.89 2222.85,14960.89 cw(c2222.85,15043.36) 2140.38,15043.36 2140.38,15247.93 ccw(c2110.6,15247.93) 2110.6,15277.7 1616.64,15277.7 cw(c1616.64,15377.7) 1516.64,15377.7 1516.64,15495.45 cw(c1610.6,15495.45) 1610.6,15589.42 11373.71,15589.42 cw(c11373.71,15489.42) 11473.71,15489.42 11473.71,15349.42 11473.71,15043.14 cw(c11429.08,15043.14) 11429.08,14998.51 11203.76,14998.51 ccw(c11203.76,14949.42) 11154.67,14949.42 11154.67,14633.53 ccw(c11191.22,14633.53) 11191.22,14596.98 11436.83,14596.98 cw(c11436.83,14564.72) 11469.08,14564.72 11469.08,14324.94 cw(c11410.6,14324.94) 11410.6,14266.45 10292.04,14266.45 ccw(c10292.04,14166.45) 10192.04,14166.45 10192.04,14149.42 10192.04,13187.36 ccw(c10222.34,13187.36) 10222.34,13157.06 10470.6,13157.06 cw(c10470.6,13057.06) 10570.6,13057.06 10570.6,13011.46 10570.6,11709.42 10570.6,11634.17 ccw(c10608.81,11634.17) 10608.81,11595.95 10798.29,11595.95 cw(c10798.29,11495.95) 10898.29,11495.95 10898.29,11489.74 10898.29,11371.68 cw(c10798.29,11371.68) 10798.29,11271.68 10302.22,11271.68 9699.29,11271.68 cw(c9699.29,11347.87) 9623.09,11347.87 9623.09,11589.76 ccw(c9563.44,11589.76) 9563.44,11649.42 8610.93,11649.42 ccw(c8610.93,11598.36) 8559.88,11598.36 8559.88,10269.42 cw(c8459.88,10269.42) 8459.88,10169.42 6790.6,10169.42 cw(c6790.6,10269.42) 6690.6,10269.42 6690.6,10289.42 6690.6,11198.14 ccw(c6590.6,11198.14) 6590.6,11298.14 6510.6,11298.14 4228.39,11298.14 ccw(c4228.39,11269.42) 4199.67,11269.42 4199.67,10862.61 ccw(c4238.92,10862.61) 4238.92,10823.36 4370.6,10823.36 cw(c4370.6,10803.36) 4390.6,10803.36 4390.6,10269.42 cw(c4290.6,10269.42) 4290.6,10169.42 3364.16,10169.42 1456.68,10169.42 cw(c1456.68,10269.42) 1356.68,10269.42 1356.68,10289.42 1356.68,10577.28 ccw(c1310.6,10577.28) 1310.6,10623.36 814.56,10623.36 cw(c814.56,10667.32) 770.6,10667.32 770.6,14698.75 cw(c790.6,14698.75) 790.6,14718.75 891.64,14718.75 ccw(c891.64,14729.42) 902.31,14729.42
GND on TopLayer "BottomLayer-No Net" (solid, pour order 2): 6858.14,6119.36 6858.14,6239.36 cw(c6958.14,6239.36) 6958.14,6339.36 7148.14,6339.36 10018.14,6339.36 cw(c10018.14,6239.36) 10118.14,6239.36 10118.14,4665.5 10118.14,4579.36 cw(c10018.14,4579.36) 10018.14,4479.36 9998.14,4479.36 6958.14,4479.36 cw(c6958.14,4579.36) 6858.14,4579.36 6858.14,4726.78